# Altium PCB touch-2ch-v4.PcbDoc (part 6 of 8)
Units mm, origin at the board's own origin, x right, y up, seen from the top; angles counter-clockwise.
Board outline 39.88 x 84.36 mm, 2 copper layers (Top Layer, Bottom Layer); 1029 components, 40 nets, 2604 pads, 0 vias.
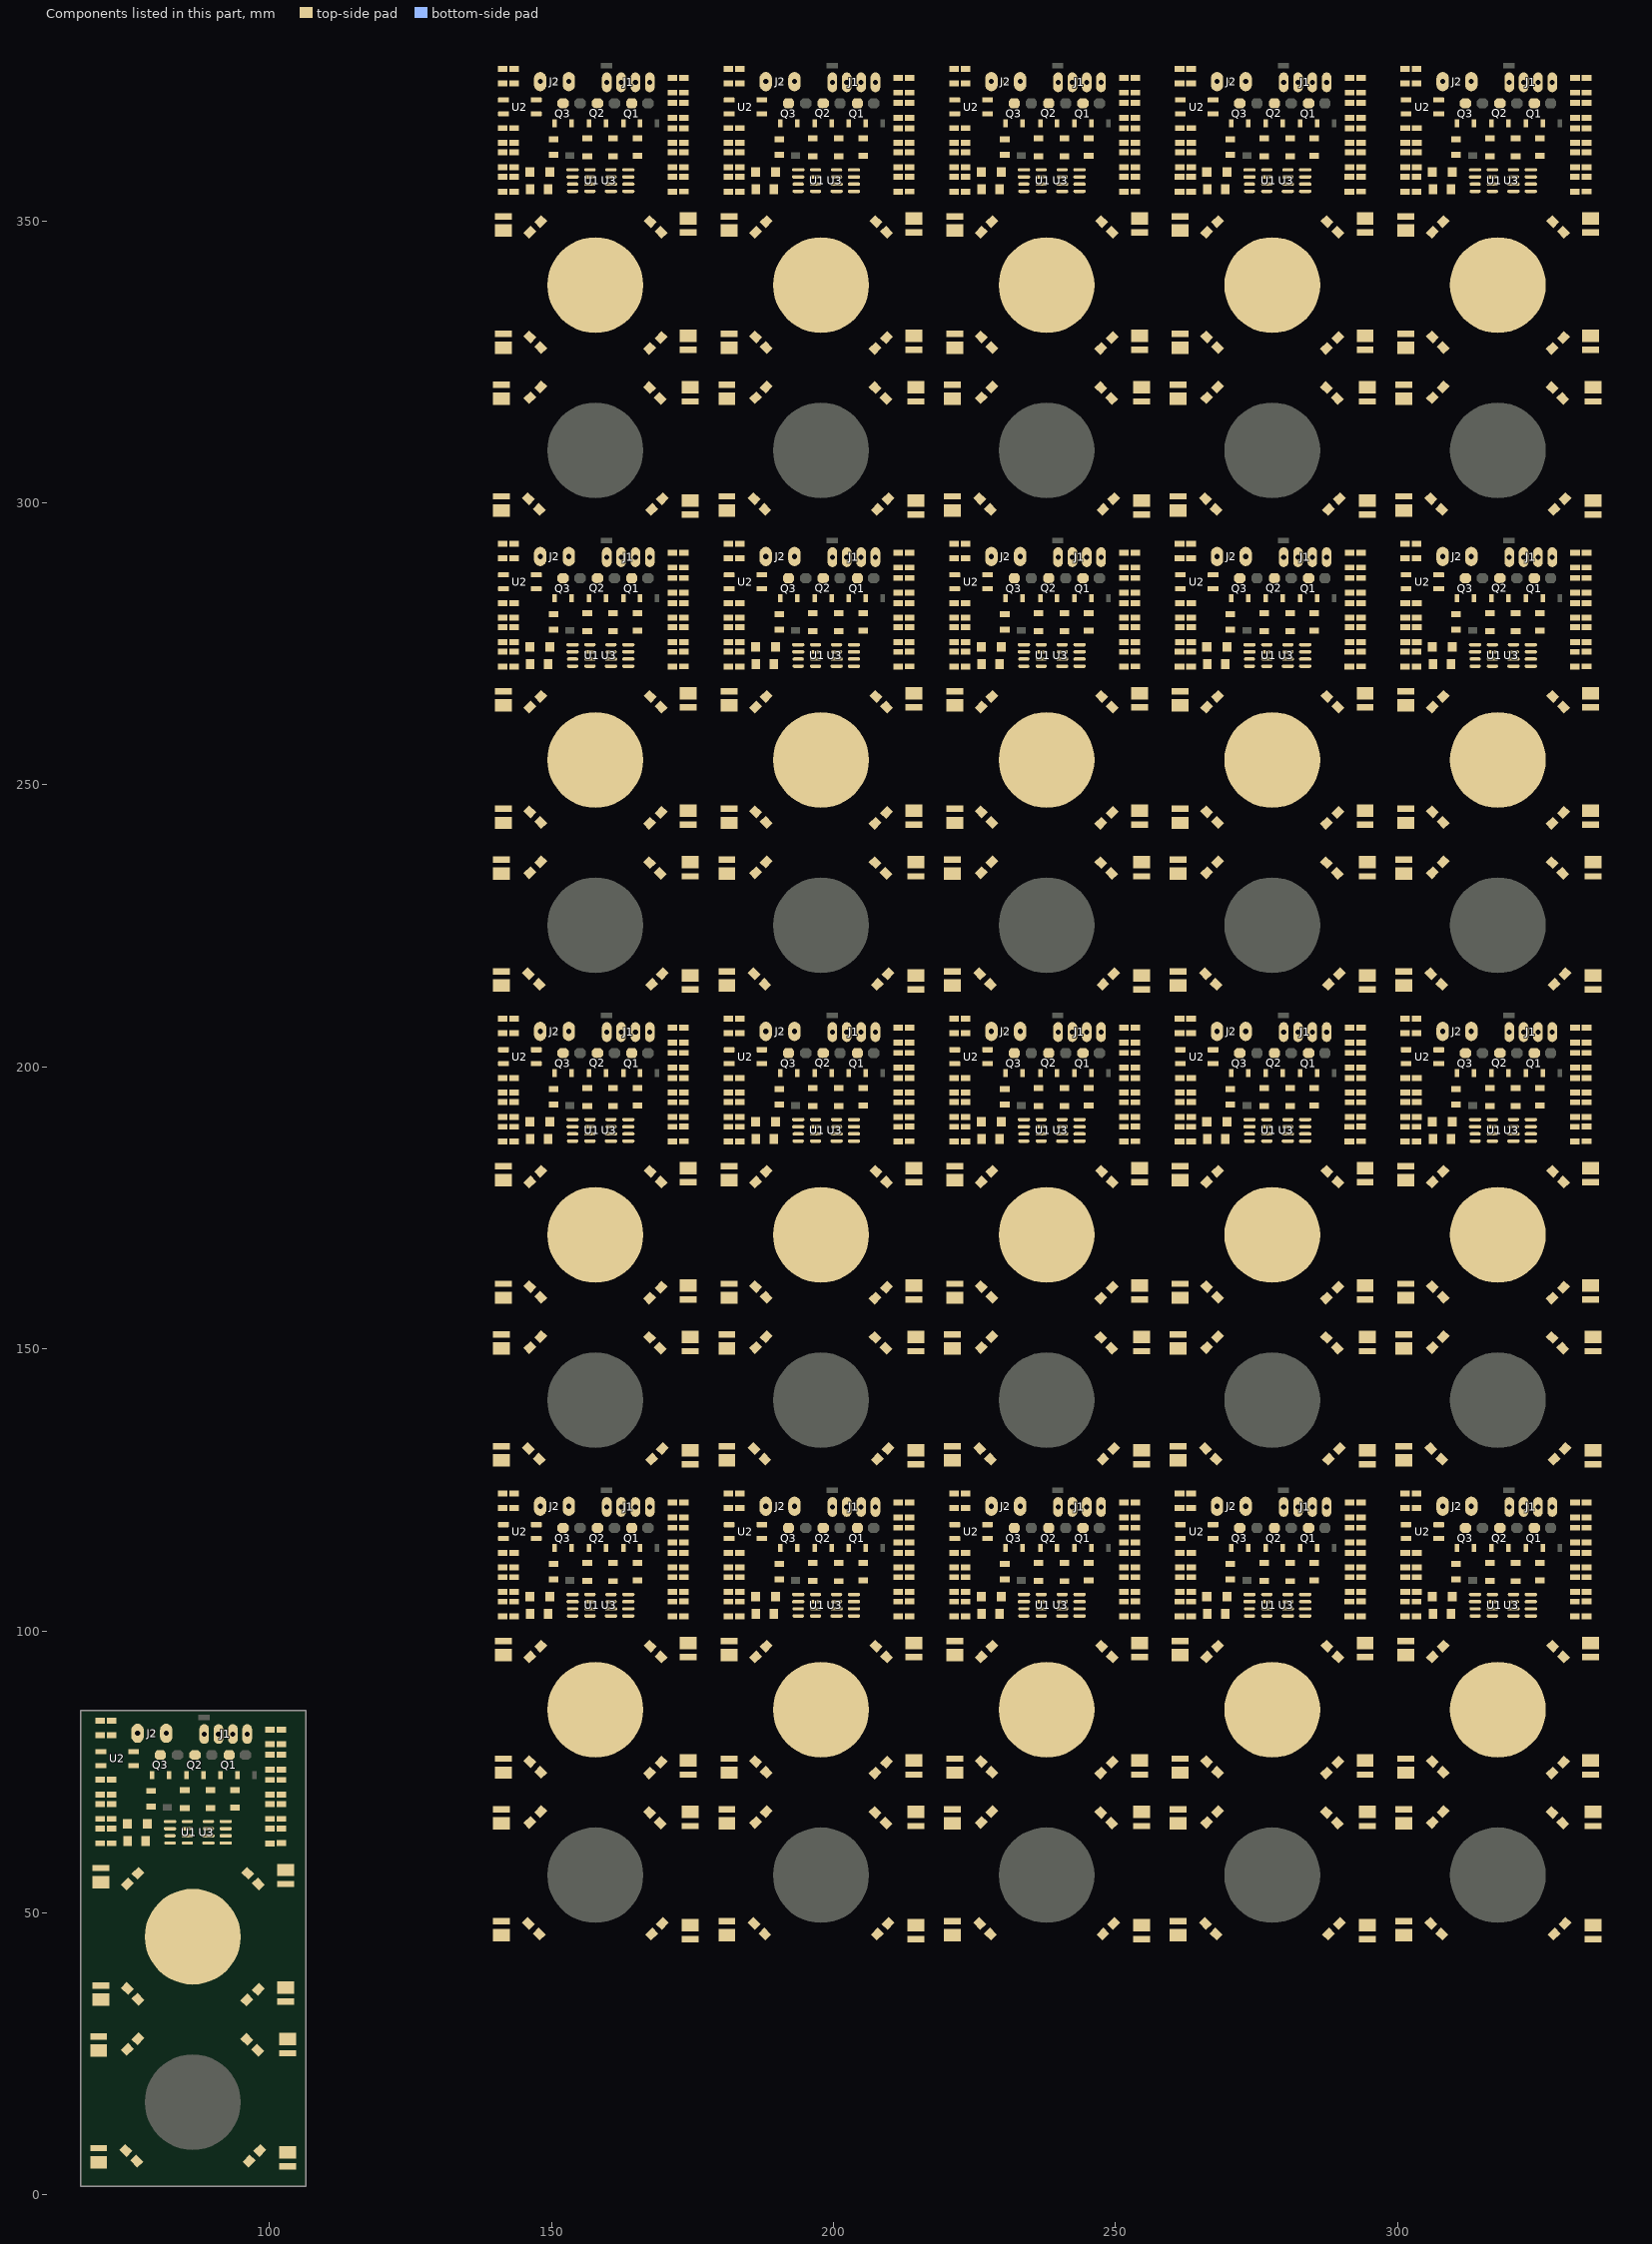
[diagram p6: the components of this part, seen from the top]

## Nets (pads, with @x,y where several pads share a name; then routed paths per layer and width w, separated by ;. In a path a pad name is that pad's centre, name@x,y a point inside that pad or via, vN(x,y) a via of type N, cw(c..) or ccw(c..) an arc to the next point about the centre after c; other vN are vias at no path point) (continued)
copper on no net: (continued)
  Top Layer w0.8: 141.326,118.882 143.774,118.882 145.288,120.396 145.288,124.333 ; 141.326,203.082 143.774,203.082 145.288,204.596 145.288,208.533 ; 141.326,287.282 143.774,287.282 145.288,288.796 145.288,292.733 ; 141.326,371.482 143.774,371.482 145.288,372.996 145.288,376.933 ; 141.351,102.743 143.127,102.743 143.245,102.625 143.674,102.625 ; 141.351,105.187 141.782,105.187 142.494,105.187 ; 141.351,124.364 143.287,124.364 143.317,124.333 145.288,124.333 ; 141.351,186.943 143.127,186.943 143.245,186.825 143.674,186.825 ; 141.351,189.387 141.782,189.387 142.494,189.387 ; 141.351,208.564 143.287,208.564 143.317,208.533 145.288,208.533 ; 141.351,271.143 143.127,271.143 143.245,271.025 143.674,271.025 ; 141.351,273.587 141.782,273.587 142.494,273.587 ; 141.351,292.764 143.287,292.764 143.317,292.733 145.288,292.733 ; 141.351,355.343 143.127,355.343 143.245,355.225 143.674,355.225 ; 141.351,357.787 141.782,357.787 142.494,357.787 ; 141.351,376.964 143.287,376.964 143.317,376.933 145.288,376.933 ; 141.374,106.931 142.494,106.931 ; 141.374,111.249 142.357,111.249 ; 141.374,113.845 143.406,113.845 ; 141.374,191.131 142.494,191.131 ; 141.374,195.449 142.357,195.449 ; 141.374,198.045 143.406,198.045 ; 141.374,275.331 142.494,275.331 ; 141.374,279.649 142.357,279.649 ; 141.374,282.245 143.406,282.245 ; 141.374,359.531 142.494,359.531 ; 141.374,363.849 142.357,363.849 ; 141.374,366.445 143.406,366.445 ; 141.49,116.332 143.891,116.332 147.701,112.522 147.701,110.49 ; 141.49,200.532 143.891,200.532 147.701,196.722 147.701,194.69 ; 141.49,284.732 143.891,284.732 147.701,280.922 147.701,278.89 ; 141.49,368.932 143.891,368.932 147.701,365.122 147.701,363.09 ; 143.383,102.591 143.499,102.591 143.624,102.466 143.624,101.359 147.701,97.282 148.082,97.282 ; 143.383,105.187 143.364,105.206 142.748,105.206 142.494,105.46 142.494,106.931 ; 143.383,186.791 143.499,186.791 143.624,186.666 143.624,185.559 147.701,181.482 148.082,181.482 ; 143.383,189.387 143.364,189.406 142.748,189.406 142.494,189.66 142.494,191.131 ; 143.383,270.991 143.499,270.991 143.624,270.866 143.624,269.759 147.701,265.682 148.082,265.682 ; 143.383,273.587 143.364,273.606 142.748,273.606 142.494,273.86 142.494,275.331 ; 143.383,355.191 143.499,355.191 143.624,355.066 143.624,353.959 147.701,349.882 148.082,349.882 ; 143.383,357.787 143.364,357.806 142.748,357.806 142.494,358.06 142.494,359.531 ; 143.406,106.931 142.494,106.931 ; 143.406,109.527 143.402,109.524 142.357,109.524 142.357,111.249 ; 143.406,111.249 142.357,111.249 ; 143.406,191.131 142.494,191.131 ; 143.406,193.727 143.402,193.724 142.357,193.724 142.357,195.449 ; 143.406,195.449 142.357,195.449 ; 143.406,275.331 142.494,275.331 ; 143.406,277.927 143.402,277.924 142.357,277.924 142.357,279.649 ; 143.406,279.649 142.357,279.649 ; 143.406,359.531 142.494,359.531 ; 143.406,362.127 143.402,362.124 142.357,362.124 142.357,363.849 ; 143.406,363.849 142.357,363.849 ; 145.542,48.006 145.69,48.154 145.69,48.48 145.288,48.882 145.288,64.897 145.923,65.532 ; 145.542,132.206 145.69,132.354 145.69,132.68 145.288,133.082 145.288,149.097 145.923,149.732 ; 145.542,216.406 145.69,216.554 145.69,216.88 145.288,217.282 145.288,233.297 145.923,233.932 ; 145.542,300.606 145.69,300.754 145.69,301.08 145.288,301.482 145.288,317.497 145.923,318.132 ; 146.177,76.835 146.177,77.054 143.891,79.34 143.891,92.837 146.177,95.123 146.177,95.377 ; 146.177,161.035 146.177,161.254 143.891,163.54 143.891,177.037 146.177,179.323 146.177,179.577 ; 146.177,245.235 146.177,245.454 143.891,247.74 143.891,261.237 146.177,263.523 146.177,263.777 ; 146.177,329.435 146.177,329.654 143.891,331.94 143.891,345.437 146.177,347.723 146.177,347.977 ; 148.082,67.945 148.188,68.051 ; 148.082,74.93 148.188,74.824 148.188,68.051 ; 148.082,152.145 148.188,152.251 ; 148.082,159.13 148.188,159.024 148.188,152.251 ; 148.082,236.345 148.188,236.451 ; 148.082,243.33 148.188,243.224 148.188,236.451 ; 148.082,320.545 148.188,320.651 ; 148.082,327.53 148.188,327.424 148.188,320.651 ; 148.188,67.945 148.188,68.051 ; 148.188,152.145 148.188,152.251 ; 148.188,236.345 148.188,236.451 ; 148.188,320.545 148.188,320.651 ; 149.733,106.045 149.733,106.095 149.333,106.495 149.029,106.495 147.701,107.823 147.701,110.49 ; 149.733,190.245 149.733,190.295 149.333,190.695 149.029,190.695 147.701,192.023 147.701,194.69 ; 149.733,274.445 149.733,274.495 149.333,274.895 149.029,274.895 147.701,276.223 147.701,278.89 ; 149.733,358.645 149.733,358.695 149.333,359.095 149.029,359.095 147.701,360.423 147.701,363.09 ; 150.495,46.736 164.973,46.736 ; 150.495,130.936 164.973,130.936 ; 150.495,215.136 164.973,215.136 ; 150.495,299.336 164.973,299.336 ; 150.542,114.682 150.542,114.382 150.842,114.382 153.035,112.188 153.035,110.49 ; 150.542,198.881 150.542,198.582 150.842,198.582 153.035,196.388 153.035,194.69 ; 150.542,283.081 150.542,282.781 150.842,282.781 153.035,280.588 153.035,278.89 ; 150.542,367.281 150.542,366.981 150.842,366.981 153.035,364.788 153.035,363.09 ; 153.289,108.966 153.261,108.966 153.061,109.166 153.061,110.235 152.807,110.49 ; 153.289,193.166 153.261,193.166 153.061,193.366 153.061,194.435 152.807,194.69 ; 153.289,277.366 153.261,277.366 153.061,277.566 153.061,278.635 152.807,278.89 ; 153.289,361.566 153.261,361.566 153.061,361.766 153.061,362.835 152.807,363.09 ; 154.123,97.227 156.464,99.568 156.464,102.254 ; 154.123,181.427 156.464,183.768 156.464,186.454 ; 154.123,265.627 156.464,267.968 156.464,270.654 ; 154.123,349.827 156.464,352.168 156.464,354.854 ; 156.662,114.403 158.75,112.315 158.75,110.49 ; 156.662,198.603 158.75,196.515 158.75,194.69 ; 156.662,282.803 158.75,280.715 158.75,278.89 ; 156.662,367.003 158.75,364.915 158.75,363.09 ; 157.779,56.686 157.988,56.895 ; 157.779,140.886 157.988,141.095 ; 157.779,225.086 157.988,225.295 ; 157.779,309.286 157.988,309.495 ; 157.988,56.133 157.988,75.091 158.632,75.735 ccw(c157.523,86.075) 162.756,95.063 162.179,95.64 162.179,98.425 166.266,102.512 166.266,103.886 ; 157.988,140.333 157.988,159.291 158.632,159.935 ccw(c157.523,170.275) 162.756,179.263 162.179,179.84 162.179,182.625 166.266,186.712 166.266,188.086 ; 157.988,224.533 157.988,243.491 158.632,244.135 ccw(c157.523,254.475) 162.756,263.463 162.179,264.04 162.179,266.825 166.266,270.912 166.266,272.286 ; 157.988,308.733 157.988,327.691 158.632,328.335 ccw(c157.523,338.675) 162.756,347.663 162.179,348.24 162.179,351.025 166.266,355.111 166.266,356.486 ; 158.033,87.04 158.033,96.565 159.766,98.298 159.766,102.362 ; 158.033,171.24 158.033,180.765 159.766,182.498 159.766,186.562 ; 158.033,255.44 158.033,264.965 159.766,266.698 159.766,270.762 ; 158.033,339.64 158.033,349.165 159.766,350.898 159.766,354.962 ; 159.664,125.095 145.757,125.095 145.288,124.626 145.288,124.333 ; 159.664,209.295 145.757,209.295 145.288,208.826 145.288,208.533 ; 159.664,293.495 145.757,293.495 145.288,293.026 145.288,292.733 ; 159.664,377.695 145.757,377.695 145.288,377.226 145.288,376.933 ; 159.766,125.095 166.923,125.095 167.431,124.587 ; 159.766,209.295 166.923,209.295 167.431,208.787 ; 159.766,293.495 166.923,293.495 167.431,292.987 ; 159.766,377.695 166.923,377.695 167.431,377.187 ; 162.734,114.682 162.734,114.382 163.195,113.92 163.195,110.49 ; 162.734,198.881 162.734,198.582 163.195,198.12 163.195,194.69 ; 162.734,283.081 162.734,282.781 163.195,282.32 163.195,278.89 ; 162.734,367.281 162.734,366.981 163.195,366.52 163.195,363.09 ; 164.338,97.155 164.338,98.044 168.806,102.512 168.806,110.49 ; 164.338,181.355 164.338,182.244 168.806,186.712 168.806,194.69 ; 164.338,265.555 164.338,266.444 168.806,270.912 168.806,278.89 ; 164.338,349.755 164.338,350.644 168.806,355.111 168.806,363.09 ; 167.28,67.818 167.28,67.924 ; 167.28,152.018 167.28,152.124 ; 167.28,236.218 167.28,236.324 ; 167.28,320.418 167.28,320.524 ; 167.386,67.818 167.28,67.924 ; 167.386,74.803 167.28,74.697 167.28,67.924 ; 167.386,152.018 167.28,152.124 ; 167.386,159.003 167.28,158.897 167.28,152.124 ; 167.386,236.218 167.28,236.324 ; 167.386,243.203 167.28,243.097 167.28,236.324 ; 167.386,320.418 167.28,320.524 ; 167.386,327.403 167.28,327.297 167.28,320.524 ; 167.513,123.037 167.816,123.037 168.35,123.571 170.307,123.571 ; 167.513,207.237 167.816,207.237 168.35,207.771 170.307,207.771 ; 167.513,291.437 167.816,291.437 168.35,291.971 170.307,291.971 ; 167.513,375.637 167.816,375.637 168.35,376.171 170.307,376.171 ; 167.64,97.291 167.633,97.297 167.633,97.656 171.461,101.484 ; 167.64,181.491 167.633,181.497 167.633,181.856 171.461,185.684 ; 167.64,265.691 167.633,265.697 167.633,266.056 171.461,269.884 ; 167.64,349.891 167.633,349.897 167.633,350.256 171.461,354.084 ; 168.734,114.682 168.734,114.147 168.806,114.075 168.806,110.49 ; 168.734,198.881 168.734,198.347 168.806,198.275 168.806,194.69 ; 168.734,283.081 168.734,282.547 168.806,282.475 168.806,278.89 ; 168.734,367.281 168.734,366.747 168.806,366.675 168.806,363.09 ; 169.291,65.913 169.291,65.892 170.434,64.749 170.434,49.114 169.545,48.225 169.545,47.879 ; 169.291,150.113 169.291,150.092 170.434,148.949 170.434,133.314 169.545,132.425 169.545,132.079 ; 169.291,234.313 169.291,234.292 170.434,233.149 170.434,217.514 169.545,216.625 169.545,216.279 ; 169.291,318.513 169.291,318.492 170.434,317.349 170.434,301.714 169.545,300.825 169.545,300.479 ; 169.418,76.708 169.418,77.089 172.085,79.756 172.085,92.71 169.418,95.377 ; 169.418,160.908 169.418,161.289 172.085,163.956 172.085,176.91 169.418,179.577 ; 169.418,245.108 169.418,245.489 172.085,248.156 172.085,261.11 169.418,263.777 ; 169.418,329.308 169.418,329.689 172.085,332.356 172.085,345.31 169.418,347.977 ; 169.926,123.571 170.642,122.855 171.348,122.855 171.473,122.73 ; 169.926,207.771 170.642,207.055 171.348,207.055 171.473,206.93 ; 169.926,291.971 170.642,291.255 171.348,291.255 171.473,291.13 ; 169.926,376.171 170.642,375.455 171.348,375.455 171.473,375.33 ; 171.08,101.484 171.08,102.46 171.205,102.585 171.727,102.585 ; 171.08,185.684 171.08,186.66 171.205,186.785 171.727,186.785 ; 171.08,269.884 171.08,270.86 171.205,270.985 171.727,270.985 ; 171.08,354.084 171.08,355.06 171.205,355.185 171.727,355.185 ; 171.148,122.73 173.505,122.73 ; 171.148,206.93 173.505,206.93 ; 171.148,291.13 173.505,291.13 ; 171.148,375.33 173.505,375.33 ; 171.323,102.585 171.45,102.585 171.727,102.585 ; 171.323,186.785 171.45,186.785 171.727,186.785 ; 171.323,270.985 171.45,270.985 171.727,270.985 ; 171.323,355.185 171.45,355.185 171.727,355.185 ; 171.346,105.204 172.425,105.204 ; 171.346,189.404 172.425,189.404 ; 171.346,273.604 172.425,273.604 ; 171.346,357.804 172.425,357.804 ; 171.473,106.926 172.489,106.926 ; 171.473,109.522 172.489,109.522 ; 171.473,111.244 172.489,111.244 ; 171.473,113.84 172.489,113.84 ; 171.473,115.689 172.489,115.689 ; 171.473,118.285 172.489,118.285 ; 171.473,120.134 172.362,120.134 ; 171.473,191.126 172.489,191.126 ; 171.473,193.722 172.489,193.722 ; 171.473,195.444 172.489,195.444 ; 171.473,198.04 172.489,198.04 ; 171.473,199.889 172.489,199.889 ; 171.473,202.485 172.489,202.485 ; 171.473,204.334 172.362,204.334 ; 171.473,275.326 172.489,275.326 ; 171.473,277.922 172.489,277.922 ; 171.473,279.644 172.489,279.644 ; 171.473,282.24 172.489,282.24 ; 171.473,284.089 172.489,284.089 ; 171.473,286.685 172.489,286.685 ; 171.473,288.534 172.362,288.534 ; 171.473,359.526 172.489,359.526 ; 171.473,362.122 172.489,362.122 ; 171.473,363.844 172.489,363.844 ; 171.473,366.44 172.489,366.44 ; 171.473,368.289 172.489,368.289 ; 171.473,370.885 172.489,370.885 ; 171.473,372.734 172.362,372.734 ; 173.505,102.608 171.727,102.608 171.727,102.585 ; 173.505,105.204 172.489,105.204 ; 173.505,106.926 172.489,106.926 ; 173.505,109.522 172.489,109.522 ; 173.505,111.244 172.489,111.244 ; 173.505,113.84 172.489,113.84 ; 173.505,115.689 172.489,115.689 ; 173.505,118.285 172.489,118.285 ; 173.505,120.134 172.362,120.134 ; 173.505,186.808 171.727,186.808 171.727,186.785 ; 173.505,189.404 172.489,189.404 ; 173.505,191.126 172.489,191.126 ; 173.505,193.722 172.489,193.722 ; 173.505,195.444 172.489,195.444 ; 173.505,198.04 172.489,198.04 ; 173.505,199.889 172.489,199.889 ; 173.505,202.485 172.489,202.485 ; 173.505,204.334 172.362,204.334 ; 173.505,271.008 171.727,271.008 171.727,270.985 ; 173.505,273.604 172.489,273.604 ; 173.505,275.326 172.489,275.326 ; 173.505,277.922 172.489,277.922 ; 173.505,279.644 172.489,279.644 ; 173.505,282.24 172.489,282.24 ; 173.505,284.089 172.489,284.089 ; 173.505,286.685 172.489,286.685 ; 173.505,288.534 172.362,288.534 ; 173.505,355.208 171.727,355.208 171.727,355.185 ; 173.505,357.804 172.489,357.804 ; 173.505,359.526 172.489,359.526 ; 173.505,362.122 172.489,362.122 ; 173.505,363.844 172.489,363.844 ; 173.505,366.44 172.489,366.44 ; 173.505,368.289 172.489,368.289 ; 173.505,370.885 172.489,370.885 ; 173.505,372.734 172.362,372.734 ; 181.326,118.882 183.774,118.882 185.288,120.396 185.288,124.333 ; 181.326,203.082 183.774,203.082 185.288,204.596 185.288,208.533 ; 181.326,287.282 183.774,287.282 185.288,288.796 185.288,292.733 ; 181.326,371.482 183.774,371.482 185.288,372.996 185.288,376.933 ; 181.351,102.743 183.127,102.743 183.245,102.625 183.674,102.625 ; 181.351,105.187 181.782,105.187 182.494,105.187 ; 181.351,124.364 183.287,124.364 183.317,124.333 185.288,124.333 ; 181.351,186.943 183.127,186.943 183.245,186.825 183.674,186.825 ; 181.351,189.387 181.782,189.387 182.494,189.387 ; 181.351,208.564 183.287,208.564 183.317,208.533 185.288,208.533 ; 181.351,271.143 183.127,271.143 183.245,271.025 183.674,271.025 ; 181.351,273.587 181.782,273.587 182.494,273.587 ; 181.351,292.764 183.287,292.764 183.317,292.733 185.288,292.733 ; 181.351,355.343 183.127,355.343 183.245,355.225 183.674,355.225 ; 181.351,357.787 181.782,357.787 182.494,357.787 ; 181.351,376.964 183.287,376.964 183.317,376.933 185.288,376.933 ; 181.374,106.931 182.494,106.931 ; 181.374,111.249 182.357,111.249 ; 181.374,113.845 183.406,113.845 ; 181.374,191.131 182.494,191.131 ; 181.374,195.449 182.357,195.449 ; 181.374,198.045 183.406,198.045 ; 181.374,275.331 182.494,275.331 ; 181.374,279.649 182.357,279.649 ; 181.374,282.245 183.406,282.245 ; 181.374,359.531 182.494,359.531 ; 181.374,363.849 182.357,363.849 ; 181.374,366.445 183.406,366.445 ; 181.49,116.332 183.891,116.332 187.701,112.522 187.701,110.49 ; 181.49,200.532 183.891,200.532 187.701,196.722 187.701,194.69 ; 181.49,284.732 183.891,284.732 187.701,280.922 187.701,278.89 ; 181.49,368.932 183.891,368.932 187.701,365.122 187.701,363.09 ; 183.383,102.591 183.499,102.591 183.624,102.466 183.624,101.359 187.701,97.282 188.082,97.282 ; 183.383,105.187 183.364,105.206 182.748,105.206 182.494,105.46 182.494,106.931 ; 183.383,186.791 183.499,186.791 183.624,186.666 183.624,185.559 187.701,181.482 188.082,181.482 ; 183.383,189.387 183.364,189.406 182.748,189.406 182.494,189.66 182.494,191.131 ; 183.383,270.991 183.499,270.991 183.624,270.866 183.624,269.759 187.701,265.682 188.082,265.682 ; 183.383,273.587 183.364,273.606 182.748,273.606 182.494,273.86 182.494,275.331 ; 183.383,355.191 183.499,355.191 183.624,355.066 183.624,353.959 187.701,349.882 188.082,349.882 ; 183.383,357.787 183.364,357.806 182.748,357.806 182.494,358.06 182.494,359.531 ; 183.406,106.931 182.494,106.931 ; 183.406,109.527 183.402,109.524 182.357,109.524 182.357,111.249 ; 183.406,111.249 182.357,111.249 ; 183.406,191.131 182.494,191.131 ; 183.406,193.727 183.402,193.724 182.357,193.724 182.357,195.449 ; 183.406,195.449 182.357,195.449 ; 183.406,275.331 182.494,275.331 ; 183.406,277.927 183.402,277.924 182.357,277.924 182.357,279.649 ; 183.406,279.649 182.357,279.649 ; 183.406,359.531 182.494,359.531 ; 183.406,362.127 183.402,362.124 182.357,362.124 182.357,363.849 ; 183.406,363.849 182.357,363.849 ; 185.542,48.006 185.69,48.154 185.69,48.48 185.288,48.882 185.288,64.897 185.923,65.532 ; 185.542,132.206 185.69,132.354 185.69,132.68 185.288,133.082 185.288,149.097 185.923,149.732 ; 185.542,216.406 185.69,216.554 185.69,216.88 185.288,217.282 185.288,233.297 185.923,233.932 ; 185.542,300.606 185.69,300.754 185.69,301.08 185.288,301.482 185.288,317.497 185.923,318.132 ; 186.177,76.835 186.177,77.054 183.891,79.34 183.891,92.837 186.177,95.123 186.177,95.377 ; 186.177,161.035 186.177,161.254 183.891,163.54 183.891,177.037 186.177,179.323 186.177,179.577 ; 186.177,245.235 186.177,245.454 183.891,247.74 183.891,261.237 186.177,263.523 186.177,263.777 ; 186.177,329.435 186.177,329.654 183.891,331.94 183.891,345.437 186.177,347.723 186.177,347.977 ; 188.082,67.945 188.188,68.051 ; 188.082,74.93 188.188,74.824 188.188,68.051 ; 188.082,152.145 188.188,152.251 ; 188.082,159.13 188.188,159.024 188.188,152.251 ; 188.082,236.345 188.188,236.451 ; 188.082,243.33 188.188,243.224 188.188,236.451 ; 188.082,320.545 188.188,320.651 ; 188.082,327.53 188.188,327.424 188.188,320.651 ; 188.188,67.945 188.188,68.051 ; 188.188,152.145 188.188,152.251 ; 188.188,236.345 188.188,236.451 ; 188.188,320.545 188.188,320.651 ; 189.733,106.045 189.733,106.095 189.333,106.495 189.029,106.495 187.701,107.823 187.701,110.49 ; 189.733,190.245 189.733,190.295 189.333,190.695 189.029,190.695 187.701,192.023 187.701,194.69 ; 189.733,274.445 189.733,274.495 189.333,274.895 189.029,274.895 187.701,276.223 187.701,278.89 ; 189.733,358.645 189.733,358.695 189.333,359.095 189.029,359.095 187.701,360.423 187.701,363.09 ; 190.495,46.736 204.973,46.736 ; 190.495,130.936 204.973,130.936 ; 190.495,215.136 204.973,215.136 ; 190.495,299.336 204.973,299.336 ; 190.542,114.682 190.542,114.382 190.842,114.382 193.035,112.188 193.035,110.49 ; 190.542,198.881 190.542,198.582 190.842,198.582 193.035,196.388 193.035,194.69 ; 190.542,283.081 190.542,282.781 190.842,282.781 193.035,280.588 193.035,278.89 ; 190.542,367.281 190.542,366.981 190.842,366.981 193.035,364.788 193.035,363.09 ; 193.289,108.966 193.261,108.966 193.061,109.166 193.061,110.235 192.807,110.49 ; 193.289,193.166 193.261,193.166 193.061,193.366 193.061,194.435 192.807,194.69 ; 193.289,277.366 193.261,277.366 193.061,277.566 193.061,278.635 192.807,278.89 ; 193.289,361.566 193.261,361.566 193.061,361.766 193.061,362.835 192.807,363.09 ; 194.123,97.227 196.464,99.568 196.464,102.254 ; 194.123,181.427 196.464,183.768 196.464,186.454 ; 194.123,265.627 196.464,267.968 196.464,270.654 ; 194.123,349.827 196.464,352.168 196.464,354.854 ; 196.662,114.403 198.75,112.315 198.75,110.49 ; 196.662,198.603 198.75,196.515 198.75,194.69 ; 196.662,282.803 198.75,280.715 198.75,278.89 ; 196.662,367.003 198.75,364.915 198.75,363.09 ; 197.779,56.686 197.988,56.895 ; 197.779,140.886 197.988,141.095 ; 197.779,225.086 197.988,225.295 ; 197.779,309.286 197.988,309.495 ; 197.988,56.133 197.988,75.091 198.632,75.735 ccw(c197.523,86.075) 202.756,95.063 202.179,95.64 202.179,98.425 206.266,102.512 206.266,103.886 ; 197.988,140.333 197.988,159.291 198.632,159.935 ccw(c197.523,170.275) 202.756,179.263 202.179,179.84 202.179,182.625 206.266,186.712 206.266,188.086 ; 197.988,224.533 197.988,243.491 198.632,244.135 ccw(c197.523,254.475) 202.756,263.463 202.179,264.04 202.179,266.825 206.266,270.912 206.266,272.286 ; 197.988,308.733 197.988,327.691 198.632,328.335 ccw(c197.523,338.675) 202.756,347.663 202.179,348.24 202.179,351.025 206.266,355.111 206.266,356.486 ; 198.033,87.04 198.033,96.565 199.766,98.298 199.766,102.362 ; 198.033,171.24 198.033,180.765 199.766,182.498 199.766,186.562 ; 198.033,255.44 198.033,264.965 199.766,266.698 199.766,270.762 ; 198.033,339.64 198.033,349.165 199.766,350.898 199.766,354.962 ; 199.664,125.095 185.757,125.095 185.288,124.626 185.288,124.333 ; 199.664,209.295 185.757,209.295 185.288,208.826 185.288,208.533 ; 199.664,293.495 185.757,293.495 185.288,293.026 185.288,292.733 ; 199.664,377.695 185.757,377.695 185.288,377.226 185.288,376.933 ; 199.766,125.095 206.923,125.095 207.431,124.587 ; 199.766,209.295 206.923,209.295 207.431,208.787 ; 199.766,293.495 206.923,293.495 207.431,292.987 ; 199.766,377.695 206.923,377.695 207.431,377.187 ; 202.734,114.682 202.734,114.382 203.195,113.92 203.195,110.49 ; 202.734,198.881 202.734,198.582 203.195,198.12 203.195,194.69 ; 202.734,283.081 202.734,282.781 203.195,282.32 203.195,278.89 ; 202.734,367.281 202.734,366.981 203.195,366.52 203.195,363.09 ; 204.338,97.155 204.338,98.044 208.806,102.512 208.806,110.49 ; 204.338,181.355 204.338,182.244 208.806,186.712 208.806,194.69 ; 204.338,265.555 204.338,266.444 208.806,270.912 208.806,278.89 ; 204.338,349.755 204.338,350.644 208.806,355.111 208.806,363.09 ; 207.28,67.818 207.28,67.924 ; 207.28,152.018 207.28,152.124 ; 207.28,236.218 207.28,236.324 ; 207.28,320.418 207.28,320.524 ; 207.386,67.818 207.28,67.924 ; 207.386,74.803 207.28,74.697 207.28,67.924 ; 207.386,152.018 207.28,152.124 ; 207.386,159.003 207.28,158.897 207.28,152.124 ; 207.386,236.218 207.28,236.324 ; 207.386,243.203 207.28,243.097 207.28,236.324 ; 207.386,320.418 207.28,320.524 ; 207.386,327.403 207.28,327.297 207.28,320.524 ; 207.513,123.037 207.816,123.037 208.35,123.571 210.307,123.571 ; 207.513,207.237 207.816,207.237 208.35,207.771 210.307,207.771 ; 207.513,291.437 207.816,291.437 208.35,291.971 210.307,291.971 ; 207.513,375.637 207.816,375.637 208.35,376.171 210.307,376.171 ; 207.64,97.291 207.633,97.297 207.633,97.656 211.461,101.484 ; 207.64,181.491 207.633,181.497 207.633,181.856 211.461,185.684 ; 207.64,265.691 207.633,265.697 207.633,266.056 211.461,269.884 ; 207.64,349.891 207.633,349.897 207.633,350.256 211.461,354.084 ; 208.734,114.682 208.734,114.147 208.806,114.075 208.806,110.49 ; 208.734,198.881 208.734,198.347 208.806,198.275 208.806,194.69 ; 208.734,283.081 208.734,282.547 208.806,282.475 208.806,278.89 ; 208.734,367.281 208.734,366.747 208.806,366.675 208.806,363.09 ; 209.291,65.913 209.291,65.892 210.434,64.749 210.434,49.114 209.545,48.225 209.545,47.879 ; 209.291,150.113 209.291,150.092 210.434,148.949 210.434,133.314 209.545,132.425 209.545,132.079 ; 209.291,234.313 209.291,234.292 210.434,233.149 210.434,217.514 209.545,216.625 209.545,216.279 ; 209.291,318.513 209.291,318.492 210.434,317.349 210.434,301.714 209.545,300.825 209.545,300.479 ; 209.418,76.708 209.418,77.089 212.085,79.756 212.085,92.71 209.418,95.377 ; 209.418,160.908 209.418,161.289 212.085,163.956 212.085,176.91 209.418,179.577 ; 209.418,245.108 209.418,245.489 212.085,248.156 212.085,261.11 209.418,263.777 ; 209.418,329.308 209.418,329.689 212.085,332.356 212.085,345.31 209.418,347.977 ; 209.926,123.571 210.642,122.855 211.348,122.855 211.473,122.73 ; 209.926,207.771 210.642,207.055 211.348,207.055 211.473,206.93 ; 209.926,291.971 210.642,291.255 211.348,291.255 211.473,291.13 ; 209.926,376.171 210.642,375.455 211.348,375.455 211.473,375.33 ; 211.08,101.484 211.08,102.46 211.205,102.585 211.727,102.585 ; 211.08,185.684 211.08,186.66 211.205,186.785 211.727,186.785 ; 211.08,269.884 211.08,270.86 211.205,270.985 211.727,270.985 ; 211.08,354.084 211.08,355.06 211.205,355.185 211.727,355.185 ; 211.147,122.73 213.505,122.73 ; 211.147,206.93 213.505,206.93 ; 211.147,291.13 213.505,291.13 ; 211.147,375.33 213.505,375.33 ; 211.323,102.585 211.45,102.585 211.727,102.585 ; 211.323,186.785 211.45,186.785 211.727,186.785 ; 211.323,270.985 211.45,270.985 211.727,270.985 ; 211.323,355.185 211.45,355.185 211.727,355.185 ; 211.346,105.204 212.425,105.204 ; 211.346,189.404 212.425,189.404 ; 211.346,273.604 212.425,273.604 ; 211.346,357.804 212.425,357.804 ; 211.473,106.926 212.489,106.926 ; 211.473,109.522 212.489,109.522 ; 211.473,111.244 212.489,111.244 ; 211.473,113.84 212.489,113.84 ; 211.473,115.689 212.489,115.689 ; 211.473,118.285 212.489,118.285 ; 211.473,120.134 212.362,120.134 ; 211.473,191.126 212.489,191.126 ; 211.473,193.722 212.489,193.722 ; 211.473,195.444 212.489,195.444 ; 211.473,198.04 212.489,198.04 ; 211.473,199.889 212.489,199.889 ; 211.473,202.485 212.489,202.485 ; 211.473,204.334 212.362,204.334 ; 211.473,275.326 212.489,275.326 ; 211.473,277.922 212.489,277.922 ; 211.473,279.644 212.489,279.644 ; 211.473,282.24 212.489,282.24 ; 211.473,284.089 212.489,284.089 ; 211.473,286.685 212.489,286.685 ; 211.473,288.534 212.362,288.534 ; 211.473,359.526 212.489,359.526 ; 211.473,362.122 212.489,362.122 ; 211.473,363.844 212.489,363.844 ; 211.473,366.44 212.489,366.44 ; 211.473,368.289 212.489,368.289 ; 211.473,370.885 212.489,370.885 ; 211.473,372.734 212.362,372.734 ; 213.505,102.608 211.727,102.608 211.727,102.585 ; 213.505,105.204 212.489,105.204 ; 213.505,106.926 212.489,106.926 ; 213.505,109.522 212.489,109.522 ; 213.505,111.244 212.489,111.244 ; 213.505,113.84 212.489,113.84 ; 213.505,115.689 212.489,115.689 ; 213.505,118.285 212.489,118.285 ; 213.505,120.134 212.362,120.134 ; 213.505,186.808 211.727,186.808 211.727,186.785 ; 213.505,189.404 212.489,189.404 ; 213.505,191.126 212.489,191.126 ; 213.505,193.722 212.489,193.722 ; 213.505,195.444 212.489,195.444 ; 213.505,198.04 212.489,198.04 ; 213.505,199.889 212.489,199.889 ; 213.505,202.485 212.489,202.485 ; 213.505,204.334 212.362,204.334 ; 213.505,271.008 211.727,271.008 211.727,270.985 ; 213.505,273.604 212.489,273.604 ; 213.505,275.326 212.489,275.326 ; 213.505,277.922 212.489,277.922 ; 213.505,279.644 212.489,279.644 ; 213.505,282.24 212.489,282.24 ; 213.505,284.089 212.489,284.089 ; 213.505,286.685 212.489,286.685 ; 213.505,288.534 212.362,288.534 ; 213.505,355.208 211.727,355.208 211.727,355.185 ; 213.505,357.804 212.489,357.804 ; 213.505,359.526 212.489,359.526 ; 213.505,362.122 212.489,362.122 ; 213.505,363.844 212.489,363.844 ; 213.505,366.44 212.489,366.44 ; 213.505,368.289 212.489,368.289 ; 213.505,370.885 212.489,370.885 ; 213.505,372.734 212.362,372.734 ; 221.326,118.882 223.774,118.882 225.288,120.396 225.288,124.333 ; 221.326,203.082 223.774,203.082 225.288,204.596 225.288,208.533 ; 221.326,287.282 223.774,287.282 225.288,288.796 225.288,292.733 ; 221.326,371.482 223.774,371.482 225.288,372.996 225.288,376.933 ; 221.351,102.743 223.127,102.743 223.245,102.625 223.674,102.625 ; 221.351,105.187 221.781,105.187 222.494,105.187 ; 221.351,124.364 223.287,124.364 223.317,124.333 225.288,124.333 ; 221.351,186.943 223.127,186.943 223.245,186.825 223.674,186.825 ; 221.351,189.387 221.781,189.387 222.494,189.387 ; 221.351,208.564 223.287,208.564 223.317,208.533 225.288,208.533 ; 221.351,271.143 223.127,271.143 223.245,271.025 223.674,271.025 ; 221.351,273.587 221.781,273.587 222.494,273.587 ; 221.351,292.764 223.287,292.764 223.317,292.733 225.288,292.733 ; 221.351,355.343 223.127,355.343 223.245,355.225 223.674,355.225 ; 221.351,357.787 221.781,357.787 222.494,357.787 ; 221.351,376.964 223.287,376.964 223.317,376.933 225.288,376.933 ; 221.373,106.931 222.494,106.931 ; 221.373,111.249 222.357,111.249 ; 221.373,113.845 223.405,113.845 ; 221.373,191.131 222.494,191.131 ; 221.373,195.449 222.357,195.449 ; 221.373,198.045 223.405,198.045 ; 221.373,275.331 222.494,275.331 ; 221.373,279.649 222.357,279.649 ; 221.373,282.245 223.405,282.245 ; 221.373,359.531 222.494,359.531 ; 221.373,363.849 222.357,363.849 ; 221.373,366.445 223.405,366.445 ; 221.49,116.332 223.891,116.332 227.701,112.522 227.701,110.49 ; 221.49,200.532 223.891,200.532 227.701,196.722 227.701,194.69 ; 221.49,284.732 223.891,284.732 227.701,280.922 227.701,278.89 ; 221.49,368.932 223.891,368.932 227.701,365.122 227.701,363.09 ; 223.383,102.591 223.499,102.591 223.624,102.466 223.624,101.359 227.701,97.282 228.082,97.282 ; 223.383,105.187 223.364,105.206 222.748,105.206 222.494,105.46 222.494,106.931 ; 223.383,186.791 223.499,186.791 223.624,186.666 223.624,185.559 227.701,181.482 228.082,181.482 ; 223.383,189.387 223.364,189.406 222.748,189.406 222.494,189.66 222.494,191.131 ; 223.383,270.991 223.499,270.991 223.624,270.866 223.624,269.759 227.701,265.682 228.082,265.682 ; 223.383,273.587 223.364,273.606 222.748,273.606 222.494,273.86 222.494,275.331 ; 223.383,355.191 223.499,355.191 223.624,355.066 223.624,353.959 227.701,349.882 228.082,349.882 ; 223.383,357.787 223.364,357.806 222.748,357.806 222.494,358.06 222.494,359.531 ; 223.405,106.931 222.494,106.931 ; 223.405,109.527 223.402,109.524 222.357,109.524 222.357,111.249 ; 223.405,111.249 222.357,111.249 ; 223.405,191.131 222.494,191.131 ; 223.405,193.727 223.402,193.724 222.357,193.724 222.357,195.449 ; 223.405,195.449 222.357,195.449 ; 223.405,275.331 222.494,275.331 ; 223.405,277.927 223.402,277.924 222.357,277.924 222.357,279.649 ; 223.405,279.649 222.357,279.649 ; 223.405,359.531 222.494,359.531 ; 223.405,362.127 223.402,362.124 222.357,362.124 222.357,363.849 ; 223.405,363.849 222.357,363.849 ; 225.542,48.006 225.69,48.154 225.69,48.48 225.288,48.882 225.288,64.897 225.923,65.532 ; 225.542,132.206 225.69,132.354 225.69,132.68 225.288,133.082 225.288,149.097 225.923,149.732 ; 225.542,216.406 225.69,216.554 225.69,216.88 225.288,217.282 225.288,233.297 225.923,233.932 ; 225.542,300.606 225.69,300.754 225.69,301.08 225.288,301.482 225.288,317.497 225.923,318.132 ; 226.177,76.835 226.177,77.054 223.891,79.34 223.891,92.837 226.177,95.123 226.177,95.377 ; 226.177,161.035 226.177,161.254 223.891,163.54 223.891,177.037 226.177,179.323 226.177,179.577 ; 226.177,245.235 226.177,245.454 223.891,247.74 223.891,261.237 226.177,263.523 226.177,263.777 ; 226.177,329.435 226.177,329.654 223.891,331.94 223.891,345.437 226.177,347.723 226.177,347.977 ; 228.082,67.945 228.188,68.051 ; 228.082,74.93 228.188,74.824 228.188,68.051 ; 228.082,152.145 228.188,152.251 ; 228.082,159.13 228.188,159.024 228.188,152.251 ; 228.082,236.345 228.188,236.451 ; 228.082,243.33 228.188,243.224 228.188,236.451 ; 228.082,320.545 228.188,320.651 ; 228.082,327.53 228.188,327.424 228.188,320.651 ; 228.188,67.945 228.188,68.051 ; 228.188,152.145 228.188,152.251 ; 228.188,236.345 228.188,236.451 ; 228.188,320.545 228.188,320.651 ; 229.733,106.045 229.733,106.095 229.333,106.495 229.029,106.495 227.701,107.823 227.701,110.49 ; 229.733,190.245 229.733,190.295 229.333,190.695 229.029,190.695 227.701,192.023 227.701,194.69 ; 229.733,274.445 229.733,274.495 229.333,274.895 229.029,274.895 227.701,276.223 227.701,278.89 ; 229.733,358.645 229.733,358.695 229.333,359.095 229.029,359.095 227.701,360.423 227.701,363.09 ; 230.495,46.736 244.973,46.736 ; 230.495,130.936 244.973,130.936 ; 230.495,215.136 244.973,215.136 ; 230.495,299.336 244.973,299.336 ; 230.541,114.682 230.541,114.382 230.841,114.382 233.035,112.188 233.035,110.49 ; 230.541,198.881 230.541,198.582 230.841,198.582 233.035,196.388 233.035,194.69 ; 230.541,283.081 230.541,282.781 230.841,282.781 233.035,280.588 233.035,278.89 ; 230.541,367.281 230.541,366.981 230.841,366.981 233.035,364.788 233.035,363.09 ; 233.289,108.966 233.261,108.966 233.061,109.166 233.061,110.235 232.807,110.49 ; 233.289,193.166 233.261,193.166 233.061,193.366 233.061,194.435 232.807,194.69 ; 233.289,277.366 233.261,277.366 233.061,277.566 233.061,278.635 232.807,278.89 ; 233.289,361.566 233.261,361.566 233.061,361.766 233.061,362.835 232.807,363.09 ; 234.123,97.227 236.464,99.568 236.464,102.254 ; 234.123,181.427 236.464,183.768 236.464,186.454 ; 234.123,265.627 236.464,267.968 236.464,270.654 ; 234.123,349.827 236.464,352.168 236.464,354.854 ; 236.662,114.403 238.75,112.315 238.75,110.49 ; 236.662,198.603 238.75,196.515 238.75,194.69 ; 236.662,282.803 238.75,280.715 238.75,278.89 ; 236.662,367.003 238.75,364.915 238.75,363.09 ; 237.779,56.686 237.988,56.895 ; 237.779,140.886 237.988,141.095 ; 237.779,225.086 237.988,225.295 ; 237.779,309.286 237.988,309.495 ; 237.988,56.133 237.988,75.091 238.632,75.735 ccw(c237.523,86.075) 242.756,95.063 242.179,95.64 242.179,98.425 246.265,102.512 246.265,103.886 ; 237.988,140.333 237.988,159.291 238.632,159.935 ccw(c237.523,170.275) 242.756,179.263 242.179,179.84 242.179,182.625 246.265,186.712 246.265,188.086 ; 237.988,224.533 237.988,243.491 238.632,244.135 ccw(c237.523,254.475) 242.756,263.463 242.179,264.04 242.179,266.825 246.265,270.912 246.265,272.286 ; 237.988,308.733 237.988,327.691 238.632,328.335 ccw(c237.523,338.675) 242.756,347.663 242.179,348.24 242.179,351.025 246.265,355.111 246.265,356.486 ; 238.033,87.04 238.033,96.565 239.766,98.298 239.766,102.362 ; 238.033,171.24 238.033,180.765 239.766,182.498 239.766,186.562 ; 238.033,255.44 238.033,264.965 239.766,266.698 239.766,270.762 ; 238.033,339.64 238.033,349.165 239.766,350.898 239.766,354.962 ; 239.664,125.095 225.757,125.095 225.288,124.626 225.288,124.333 ; 239.664,209.295 225.757,209.295 225.288,208.826 225.288,208.533 ; 239.664,293.495 225.757,293.495 225.288,293.026 225.288,292.733 ; 239.664,377.695 225.757,377.695 225.288,377.226 225.288,376.933 ; 239.766,125.095 246.923,125.095 247.431,124.587 ; 239.766,209.295 246.923,209.295 247.431,208.787 ; 239.766,293.495 246.923,293.495 247.431,292.987 ; 239.766,377.695 246.923,377.695 247.431,377.187 ; 242.733,114.682 242.733,114.382 243.195,113.92 243.195,110.49 ; 242.733,198.881 242.733,198.582 243.195,198.12 243.195,194.69 ; 242.733,283.081 242.733,282.781 243.195,282.32 243.195,278.89 ; 242.733,367.281 242.733,366.981 243.195,366.52 243.195,363.09 ; 244.338,97.155 244.338,98.044 248.805,102.512 248.805,110.49 ; 244.338,181.355 244.338,182.244 248.805,186.712 248.805,194.69 ; 244.338,265.555 244.338,266.444 248.805,270.912 248.805,278.89 ; 244.338,349.755 244.338,350.644 248.805,355.111 248.805,363.09 ; 247.28,67.818 247.28,67.924 ; 247.28,152.018 247.28,152.124 ; 247.28,236.218 247.28,236.324 ; 247.28,320.418 247.28,320.524 ; 247.386,67.818 247.28,67.924 ; 247.386,74.803 247.28,74.697 247.28,67.924 ; 247.386,152.018 247.28,152.124 ; 247.386,159.003 247.28,158.897 247.28,152.124 ; 247.386,236.218 247.28,236.324 ; 247.386,243.203 247.28,243.097 247.28,236.324 ; 247.386,320.418 247.28,320.524 ; 247.386,327.403 247.28,327.297 247.28,320.524 ; 247.513,123.037 247.816,123.037 248.35,123.571 250.307,123.571 ; 247.513,207.237 247.816,207.237 248.35,207.771 250.307,207.771 ; 247.513,291.437 247.816,291.437 248.35,291.971 250.307,291.971 ; 247.513,375.637 247.816,375.637 248.35,376.171 250.307,376.171 ; 247.64,97.291 247.633,97.297 247.633,97.656 251.461,101.484 ; 247.64,181.491 247.633,181.497 247.633,181.856 251.461,185.684 ; 247.64,265.691 247.633,265.697 247.633,266.056 251.461,269.884 ; 247.64,349.891 247.633,349.897 247.633,350.256 251.461,354.084 ; 248.734,114.682 248.734,114.147 248.805,114.075 248.805,110.49 ; 248.734,198.881 248.734,198.347 248.805,198.275 248.805,194.69 ; 248.734,283.081 248.734,282.547 248.805,282.475 248.805,278.89 ; 248.734,367.281 248.734,366.747 248.805,366.675 248.805,363.09 ; 249.291,65.913 249.291,65.892 250.434,64.749 250.434,49.114 249.545,48.225 249.545,47.879 ; 249.291,150.113 249.291,150.092 250.434,148.949 250.434,133.314 249.545,132.425 249.545,132.079 ; 249.291,234.313 249.291,234.292 250.434,233.149 250.434,217.514 249.545,216.625 249.545,216.279 ; 249.291,318.513 249.291,318.492 250.434,317.349 250.434,301.714 249.545,300.825 249.545,300.479 ; 249.418,76.708 249.418,77.089 252.085,79.756 252.085,92.71 249.418,95.377 ; 249.418,160.908 249.418,161.289 252.085,163.956 252.085,176.91 249.418,179.577 ; 249.418,245.108 249.418,245.489 252.085,248.156 252.085,261.11 249.418,263.777 ; 249.418,329.308 249.418,329.689 252.085,332.356 252.085,345.31 249.418,347.977 ; 249.926,123.571 250.642,122.855 251.348,122.855 251.472,122.73 ; 249.926,207.771 250.642,207.055 251.348,207.055 251.472,206.93 ; 249.926,291.971 250.642,291.255 251.348,291.255 251.472,291.13 ; 249.926,376.171 250.642,375.455 251.348,375.455 251.472,375.33 ; 251.08,101.484 251.08,102.46 251.205,102.585 251.726,102.585 ; 251.08,185.684 251.08,186.66 251.205,186.785 251.726,186.785 ; 251.08,269.884 251.08,270.86 251.205,270.985 251.726,270.985 ; 251.08,354.084 251.08,355.06 251.205,355.185 251.726,355.185 ; 251.147,122.73 253.504,122.73 ; 251.147,206.93 253.504,206.93 ; 251.147,291.13 253.504,291.13 ; 251.147,375.33 253.504,375.33 ; 251.323,102.585 251.45,102.585 251.726,102.585 ; 251.323,186.785 251.45,186.785 251.726,186.785 ; 251.323,270.985 251.45,270.985 251.726,270.985 ; 251.323,355.185 251.45,355.185 251.726,355.185 ; 251.345,105.204 252.425,105.204 ; 251.345,189.404 252.425,189.404 ; 251.345,273.604 252.425,273.604 ; 251.345,357.804 252.425,357.804 ; 251.472,106.926 252.488,106.926 ; 251.472,109.522 252.488,109.522 ; 251.472,111.244 252.488,111.244 ; 251.472,113.84 252.488,113.84 ; 251.472,115.689 252.488,115.689 ; 251.472,118.285 252.488,118.285 ; 251.472,120.134 252.361,120.134 ; 251.472,191.126 252.488,191.126 ; 251.472,193.722 252.488,193.722 ; 251.472,195.444 252.488,195.444 ; 251.472,198.04 252.488,198.04 ; 251.472,199.889 252.488,199.889 ; 251.472,202.485 252.488,202.485 ; 251.472,204.334 252.361,204.334 ; 251.472,275.326 252.488,275.326 ; 251.472,277.922 252.488,277.922 ; 251.472,279.644 252.488,279.644 ; 251.472,282.24 252.488,282.24 ; 251.472,284.089 252.488,284.089 ; 251.472,286.685 252.488,286.685 ; 251.472,288.534 252.361,288.534 ; 251.472,359.526 252.488,359.526 ; 251.472,362.122 252.488,362.122 ; 251.472,363.844 252.488,363.844 ; 251.472,366.44 252.488,366.44 ; 251.472,368.289 252.488,368.289 ; 251.472,370.885 252.488,370.885 ; 251.472,372.734 252.361,372.734 ; 253.504,102.608 251.726,102.608 251.726,102.585 ; 253.504,105.204 252.488,105.204 ; 253.504,106.926 252.488,106.926 ; 253.504,109.522 252.488,109.522 ; 253.504,111.244 252.488,111.244 ; 253.504,113.84 252.488,113.84 ; 253.504,115.689 252.488,115.689 ; 253.504,118.285 252.488,118.285 ; 253.504,120.134 252.361,120.134 ; 253.504,186.808 251.726,186.808 251.726,186.785 ; 253.504,189.404 252.488,189.404 ; 253.504,191.126 252.488,191.126 ; 253.504,193.722 252.488,193.722 ; 253.504,195.444 252.488,195.444 ; 253.504,198.04 252.488,198.04 ; 253.504,199.889 252.488,199.889 ; 253.504,202.485 252.488,202.485 ; 253.504,204.334 252.361,204.334 ; 253.504,271.008 251.726,271.008 251.726,270.985 ; 253.504,273.604 252.488,273.604 ; 253.504,275.326 252.488,275.326 ; 253.504,277.922 252.488,277.922 ; 253.504,279.644 252.488,279.644 ; 253.504,282.24 252.488,282.24 ; 253.504,284.089 252.488,284.089 ; 253.504,286.685 252.488,286.685 ; 253.504,288.534 252.361,288.534 ; 253.504,355.208 251.726,355.208 251.726,355.185 ; 253.504,357.804 252.488,357.804 ; 253.504,359.526 252.488,359.526 ; 253.504,362.122 252.488,362.122 ; 253.504,363.844 252.488,363.844 ; 253.504,366.44 252.488,366.44 ; 253.504,368.289 252.488,368.289 ; 253.504,370.885 252.488,370.885 ; 253.504,372.734 252.361,372.734 ; 261.326,118.882 263.774,118.882 265.288,120.396 265.288,124.333 ; 261.326,203.082 263.774,203.082 265.288,204.596 265.288,208.533 ; 261.326,287.282 263.774,287.282 265.288,288.796 265.288,292.733 ; 261.326,371.482 263.774,371.482 265.288,372.996 265.288,376.933 ; 261.351,102.743 263.127,102.743 263.245,102.625 263.674,102.625 ; 261.351,105.187 261.782,105.187 262.494,105.187 ; 261.351,124.364 263.287,124.364 263.317,124.333 265.288,124.333 ; 261.351,186.943 263.127,186.943 263.245,186.825 263.674,186.825 ; 261.351,189.387 261.782,189.387 262.494,189.387 ; 261.351,208.564 263.287,208.564 263.317,208.533 265.288,208.533 ; 261.351,271.143 263.127,271.143 263.245,271.025 263.674,271.025 ; 261.351,273.587 261.782,273.587 262.494,273.587 ; 261.351,292.764 263.287,292.764 263.317,292.733 265.288,292.733 ; 261.351,355.343 263.127,355.343 263.245,355.225 263.674,355.225 ; 261.351,357.787 261.782,357.787 262.494,357.787 ; 261.351,376.964 263.287,376.964 263.317,376.933 265.288,376.933 ; 261.374,106.931 262.494,106.931 ; 261.374,111.249 262.357,111.249 ; 261.374,113.845 263.406,113.845 ; 261.374,191.131 262.494,191.131 ; 261.374,195.449 262.357,195.449 ; 261.374,198.045 263.406,198.045 ; 261.374,275.331 262.494,275.331 ; 261.374,279.649 262.357,279.649 ; 261.374,282.245 263.406,282.245 ; 261.374,359.531 262.494,359.531 ; 261.374,363.849 262.357,363.849 ; 261.374,366.445 263.406,366.445 ; 261.49,116.332 263.891,116.332 267.701,112.522 267.701,110.49 ; 261.49,200.532 263.891,200.532 267.701,196.722 267.701,194.69 ; 261.49,284.732 263.891,284.732 267.701,280.922 267.701,278.89 ; 261.49,368.932 263.891,368.932 267.701,365.122 267.701,363.09 ; 263.383,102.591 263.499,102.591 263.624,102.466 263.624,101.359 267.701,97.282 268.082,97.282 ; 263.383,105.187 263.364,105.206 262.748,105.206 262.494,105.46 262.494,106.931 ; 263.383,186.791 263.499,186.791 263.624,186.666 263.624,185.559 267.701,181.482 268.082,181.482 ; 263.383,189.387 263.364,189.406 262.748,189.406 262.494,189.66 262.494,191.131 ; 263.383,270.991 263.499,270.991 263.624,270.866 263.624,269.759 267.701,265.682 268.082,265.682 ; 263.383,273.587 263.364,273.606 262.748,273.606 262.494,273.86 262.494,275.331 ; 263.383,355.191 263.499,355.191 263.624,355.066 263.624,353.959 267.701,349.882 268.082,349.882 ; 263.383,357.787 263.364,357.806 262.748,357.806 262.494,358.06 262.494,359.531 ; 263.406,106.931 262.494,106.931 ; 263.406,109.527 263.403,109.524 262.357,109.524 262.357,111.249 ; 263.406,111.249 262.357,111.249 ; 263.406,191.131 262.494,191.131 ; 263.406,193.727 263.403,193.724 262.357,193.724 262.357,195.449 ; 263.406,195.449 262.357,195.449 ; 263.406,275.331 262.494,275.331 ; 263.406,277.927 263.403,277.924 262.357,277.924 262.357,279.649 ; 263.406,279.649 262.357,279.649 ; 263.406,359.531 262.494,359.531 ; 263.406,362.127 263.403,362.124 262.357,362.124 262.357,363.849 ; 263.406,363.849 262.357,363.849 ; 265.542,48.006 265.69,48.154 265.69,48.48 265.288,48.882 265.288,64.897 265.923,65.532 ; 265.542,132.206 265.69,132.354 265.69,132.68 265.288,133.082 265.288,149.097 265.923,149.732 ; 265.542,216.406 265.69,216.554 265.69,216.88 265.288,217.282 265.288,233.297 265.923,233.932 ; 265.542,300.606 265.69,300.754 265.69,301.08 265.288,301.482 265.288,317.497 265.923,318.132 ; 266.177,76.835 266.177,77.054 263.891,79.34 263.891,92.837 266.177,95.123 266.177,95.377 ; 266.177,161.035 266.177,161.254 263.891,163.54 263.891,177.037 266.177,179.323 266.177,179.577 ; 266.177,245.235 266.177,245.454 263.891,247.74 263.891,261.237 266.177,263.523 266.177,263.777 ; 266.177,329.435 266.177,329.654 263.891,331.94 263.891,345.437 266.177,347.723 266.177,347.977 ; 268.082,67.945 268.188,68.051 ; 268.082,74.93 268.188,74.824 268.188,68.051 ; 268.082,152.145 268.188,152.251 ; 268.082,159.13 268.188,159.024 268.188,152.251 ; 268.082,236.345 268.188,236.451 ; 268.082,243.33 268.188,243.224 268.188,236.451 ; 268.082,320.545 268.188,320.651 ; 268.082,327.53 268.188,327.424 268.188,320.651 ; 268.188,67.945 268.188,68.051 ; 268.188,152.145 268.188,152.251 ; 268.188,236.345 268.188,236.451 ; 268.188,320.545 268.188,320.651 ; 269.733,106.045 269.733,106.095 269.333,106.495 269.029,106.495 267.701,107.823 267.701,110.49 ; 269.733,190.245 269.733,190.295 269.333,190.695 269.029,190.695 267.701,192.023 267.701,194.69 ; 269.733,274.445 269.733,274.495 269.333,274.895 269.029,274.895 267.701,276.223 267.701,278.89 ; 269.733,358.645 269.733,358.695 269.333,359.095 269.029,359.095 267.701,360.423 267.701,363.09 ; 270.495,46.736 284.973,46.736 ; 270.495,130.936 284.973,130.936 ; 270.495,215.136 284.973,215.136 ; 270.495,299.336 284.973,299.336 ; 270.542,114.682 270.542,114.382 270.842,114.382 273.035,112.188 273.035,110.49 ; 270.542,198.881 270.542,198.582 270.842,198.582 273.035,196.388 273.035,194.69 ; 270.542,283.081 270.542,282.781 270.842,282.781 273.035,280.588 273.035,278.89 ; 270.542,367.281 270.542,366.981 270.842,366.981 273.035,364.788 273.035,363.09 ; 273.289,108.966 273.261,108.966 273.061,109.166 273.061,110.235 272.807,110.49 ; 273.289,193.166 273.261,193.166 273.061,193.366 273.061,194.435 272.807,194.69 ; 273.289,277.366 273.261,277.366 273.061,277.566 273.061,278.635 272.807,278.89 ; 273.289,361.566 273.261,361.566 273.061,361.766 273.061,362.835 272.807,363.09 ; 274.123,97.227 276.464,99.568 276.464,102.254 ; 274.123,181.427 276.464,183.768 276.464,186.454 ; 274.123,265.627 276.464,267.968 276.464,270.654 ; 274.123,349.827 276.464,352.168 276.464,354.854 ; 276.662,114.403 278.75,112.315 278.75,110.49 ; 276.662,198.603 278.75,196.515 278.75,194.69 ; 276.662,282.803 278.75,280.715 278.75,278.89 ; 276.662,367.003 278.75,364.915 278.75,363.09 ; 277.779,56.686 277.988,56.895 ; 277.779,140.886 277.988,141.095 ; 277.779,225.086 277.988,225.295 ; 277.779,309.286 277.988,309.495 ; 277.988,56.133 277.988,75.091 278.632,75.735 ccw(c277.523,86.075) 282.756,95.063 282.179,95.64 282.179,98.425 286.266,102.512 286.266,103.886 ; 277.988,140.333 277.988,159.291 278.632,159.935 ccw(c277.523,170.275) 282.756,179.263 282.179,179.84 282.179,182.625 286.266,186.712 286.266,188.086 ; 277.988,224.533 277.988,243.491 278.632,244.135 ccw(c277.523,254.475) 282.756,263.463 282.179,264.04 282.179,266.825 286.266,270.912 286.266,272.286 ; 277.988,308.733 277.988,327.691 278.632,328.335 ccw(c277.523,338.675) 282.756,347.663 282.179,348.24 282.179,351.025 286.266,355.111 286.266,356.486 ; 278.033,87.04 278.033,96.565 279.766,98.298 279.766,102.362 ; 278.033,171.24 278.033,180.765 279.766,182.498 279.766,186.562 ; 278.033,255.44 278.033,264.965 279.766,266.698 279.766,270.762 ; 278.033,339.64 278.033,349.165 279.766,350.898 279.766,354.962 ; 279.664,125.095 265.757,125.095 265.288,124.626 265.288,124.333 ; 279.664,209.295 265.757,209.295 265.288,208.826 265.288,208.533 ; 279.664,293.495 265.757,293.495 265.288,293.026 265.288,292.733 ; 279.664,377.695 265.757,377.695 265.288,377.226 265.288,376.933 ; 279.766,125.095 286.923,125.095 287.431,124.587 ; 279.766,209.295 286.923,209.295 287.431,208.787 ; 279.766,293.495 286.923,293.495 287.431,292.987 ; 279.766,377.695 286.923,377.695 287.431,377.187 ; 282.734,114.682 282.734,114.382 283.195,113.92 283.195,110.49 ; 282.734,198.881 282.734,198.582 283.195,198.12 283.195,194.69 ; 282.734,283.081 282.734,282.781 283.195,282.32 283.195,278.89 ; 282.734,367.281 282.734,366.981 283.195,366.52 283.195,363.09 ; 284.338,97.155 284.338,98.044 288.806,102.512 288.806,110.49 ; 284.338,181.355 284.338,182.244 288.806,186.712 288.806,194.69 ; 284.338,265.555 284.338,266.444 288.806,270.912 288.806,278.89 ; 284.338,349.755 284.338,350.644 288.806,355.111 288.806,363.09 ; 287.28,67.818 287.28,67.924 ; 287.28,152.018 287.28,152.124 ; 287.28,236.218 287.28,236.324 ; 287.28,320.418 287.28,320.524 ; 287.386,67.818 287.28,67.924 ; 287.386,74.803 287.28,74.697 287.28,67.924 ; 287.386,152.018 287.28,152.124 ; 287.386,159.003 287.28,158.897 287.28,152.124 ; 287.386,236.218 287.28,236.324 ; 287.386,243.203 287.28,243.097 287.28,236.324 ; 287.386,320.418 287.28,320.524 ; 287.386,327.403 287.28,327.297 287.28,320.524 ; 287.513,123.037 287.816,123.037 288.35,123.571 290.307,123.571 ; 287.513,207.237 287.816,207.237 288.35,207.771 290.307,207.771 ; 287.513,291.437 287.816,291.437 288.35,291.971 290.307,291.971 ; 287.513,375.637 287.816,375.637 288.35,376.171 290.307,376.171 ; 287.64,97.291 287.633,97.297 287.633,97.656 291.461,101.484 ; 287.64,181.491 287.633,181.497 287.633,181.856 291.461,185.684 ; 287.64,265.691 287.633,265.697 287.633,266.056 291.461,269.884 ; 287.64,349.891 287.633,349.897 287.633,350.256 291.461,354.084 ; 288.734,114.682 288.734,114.147 288.806,114.075 288.806,110.49 ; 288.734,198.881 288.734,198.347 288.806,198.275 288.806,194.69 ; 288.734,283.081 288.734,282.547 288.806,282.475 288.806,278.89 ; 288.734,367.281 288.734,366.747 288.806,366.675 288.806,363.09 ; 289.291,65.913 289.291,65.892 290.434,64.749 290.434,49.114 289.545,48.225 289.545,47.879 ; 289.291,150.113 289.291,150.092 290.434,148.949 290.434,133.314 289.545,132.425 289.545,132.079 ; 289.291,234.313 289.291,234.292 290.434,233.149 290.434,217.514 289.545,216.625 289.545,216.279 ; 289.291,318.513 289.291,318.492 290.434,317.349 290.434,301.714 289.545,300.825 289.545,300.479 ; 289.418,76.708 289.418,77.089 292.085,79.756 292.085,92.71 289.418,95.377 ; 289.418,160.908 289.418,161.289 292.085,163.956 292.085,176.91 289.418,179.577 ; 289.418,245.108 289.418,245.489 292.085,248.156 292.085,261.11 289.418,263.777 ; 289.418,329.308 289.418,329.689 292.085,332.356 292.085,345.31 289.418,347.977 ; 289.926,123.571 290.642,122.855 291.348,122.855 291.473,122.73